# Altium PCB Thermostat_EEM.PCBDOC (part 4 of 10)
Units mm, origin at the board's own origin, x right, y up, seen from the top; angles counter-clockwise.
Board outline 162.48 x 100 mm, 4 copper layers (TOP, G1, L2, BOT), stack 1.55 mm thick; 903 components, 476 nets, 2667 pads, 1400 vias.
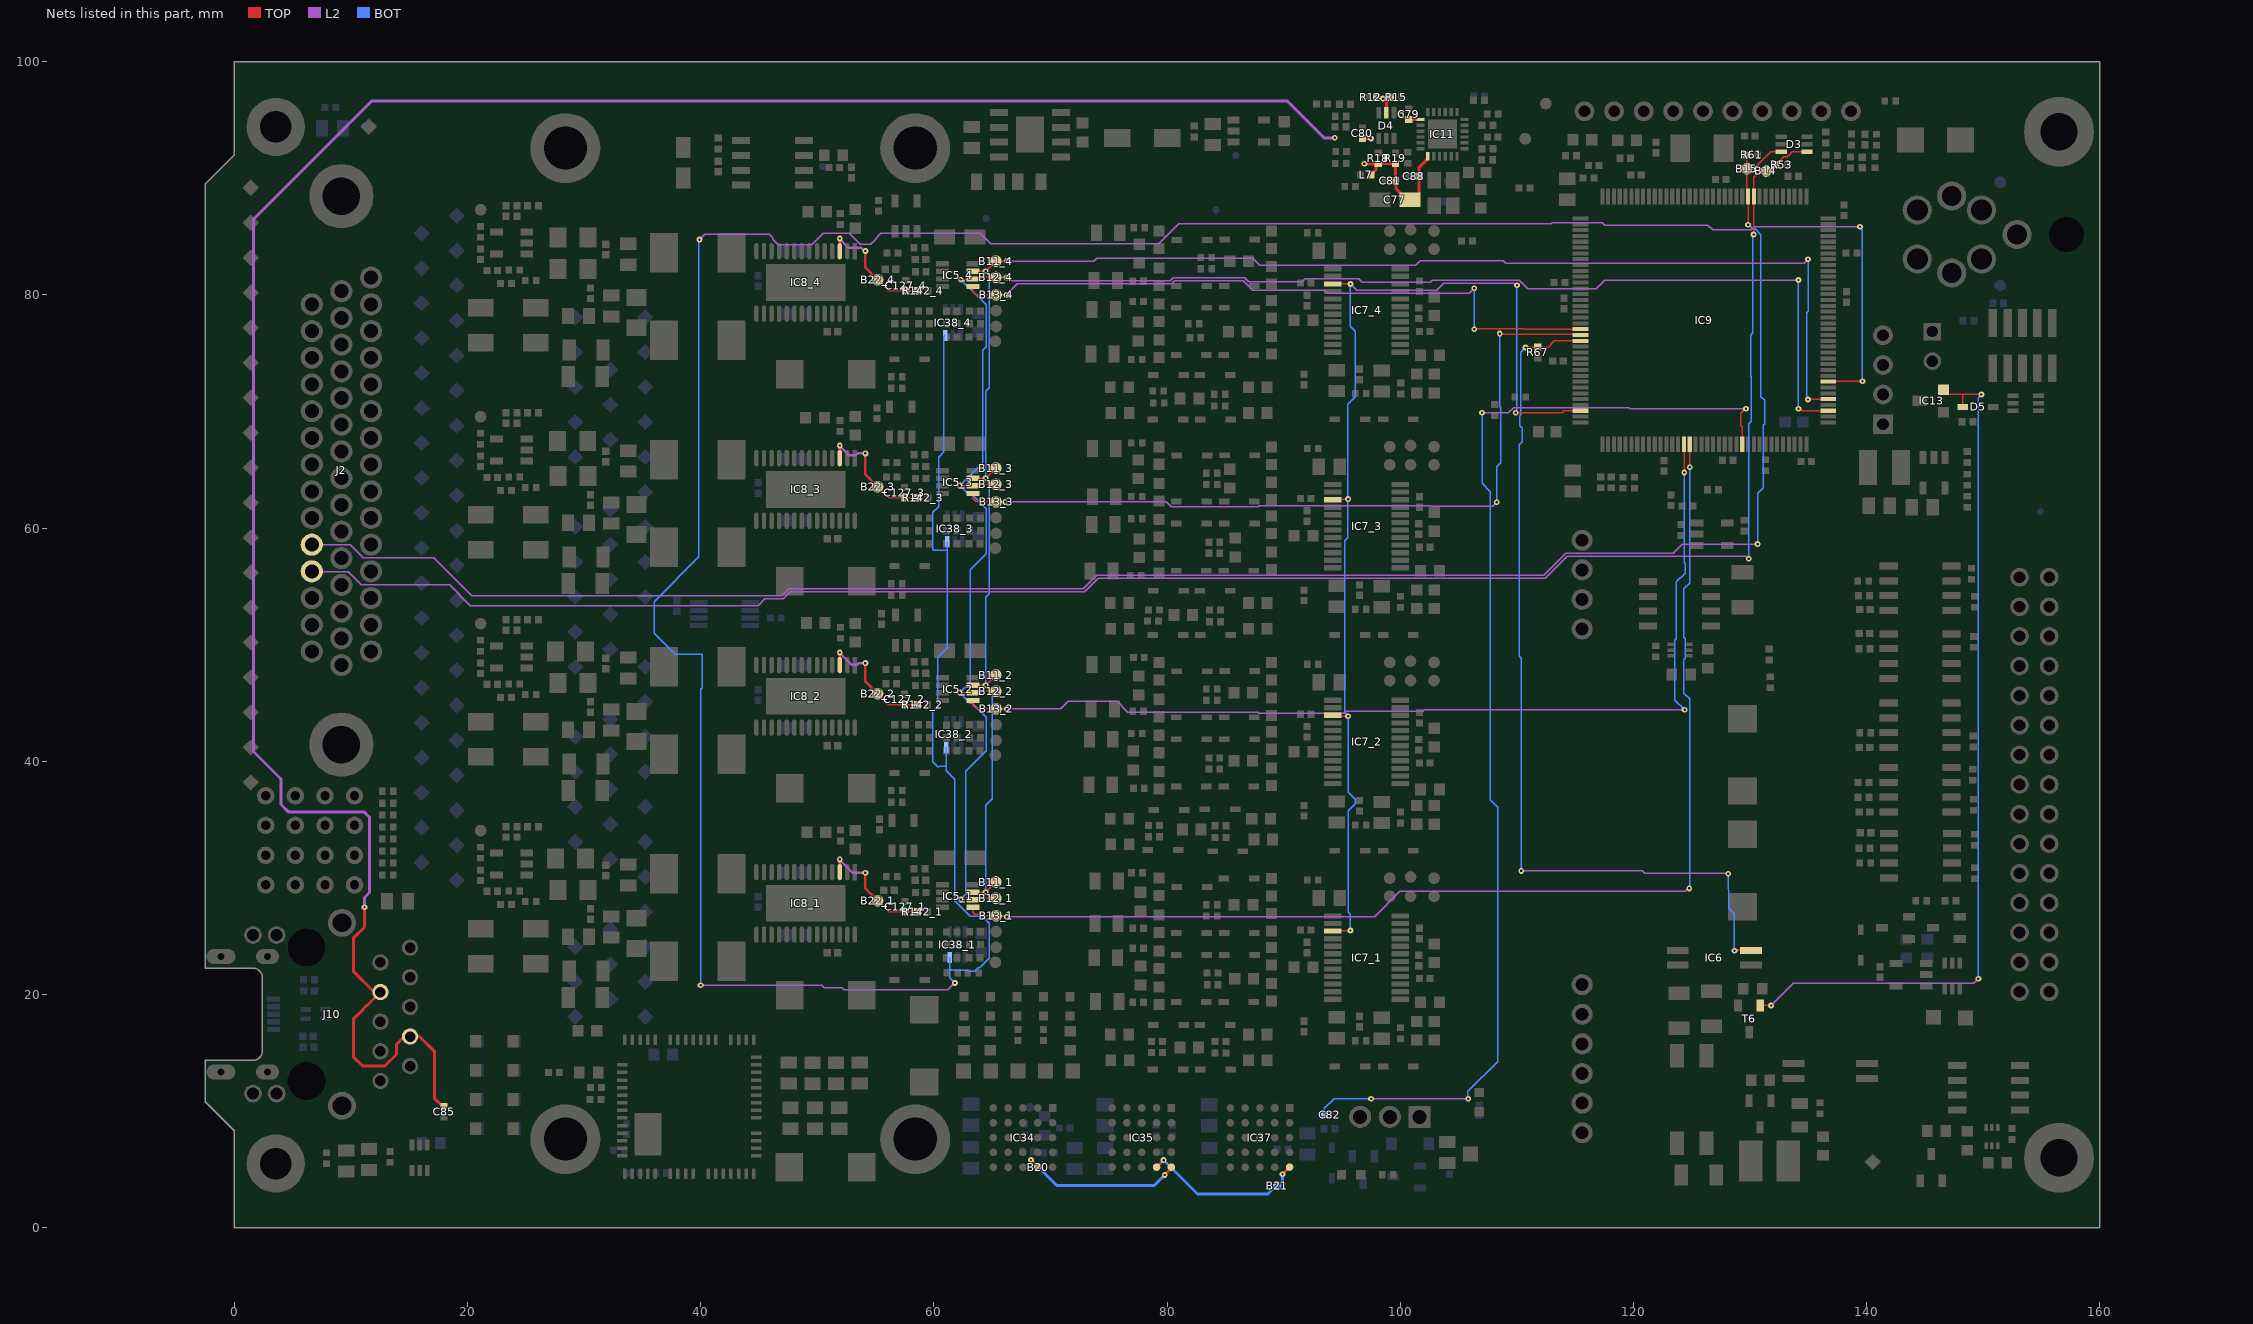
[diagram p6: the nets of this part, all layers, seen from the top]

## Via types
v1: diameter 0.5, hole 0.2, TOP to BOT, tented both sides, 1027 vias
v2: diameter 0.7, hole 0.4, TOP to BOT, tented both sides, 186 vias
v3: diameter 0.6, hole 0.3, TOP to BOT, tented both sides, 97 vias
v4: diameter 0.6, hole 0.3, TOP to BOT, 81 vias
v5: diameter 0.66, hole 0.33, TOP to BOT, tented both sides, 9 vias

## Nets (pads, with @x,y where several pads share a name; then routed paths per layer and width w, separated by ;. In a path a pad name is that pad's centre, name@x,y a point inside that pad or via, vN(x,y) a via of type N, cw(c..) or ccw(c..) an arc to the next point about the centre after c; other vN are vias at no path point) (continued)
ADC_SYNC: IC7_1.15 IC7_2.15 IC7_3.15 IC7_4.15 IC9.70 | length 93.8
  TOP w0.127: IC7_1.15@94.221,25.448 94.268,25.496 v1(95.728,25.496) ; IC7_2.15@94.221,43.948 94.304,43.865 v1(95.529,43.865) ; IC7_3.15@94.221,62.448 94.268,62.496 v1(95.529,62.496) ; IC7_4.15@94.221,80.948 v1(95.728,80.948) ; v1(109.904,69.901) 109.906,69.9 113.901,69.9 114.07,70.069 IC9.70@115.453,70.069
  L2 w0.127: v1(95.728,80.948) 96.277,80.398 103.122,80.398 103.749,81.025 109.719,81.025 109.905,80.839 v1(110.006,80.839)
  BOT w0.127: v1(95.728,25.496) 95.728,26.873 95.529,27.071 95.529,35.776 96.126,36.373 96.126,36.738 95.529,37.335 v1(95.529,43.865) 95.529,43.92 95.245,44.204 95.245,58.937 95.477,59.169 95.477,70.612 96.126,71.262 96.126,76.911 95.728,77.31 v1(95.728,80.948) ; v1(109.904,69.901) 110.006,70.002 v1(110.006,80.839)
AFE_SCL: B15.1 D3.3 IC9.11 J2.35 R61.1 | length 165.6
  TOP w0.127: R61.1@129.694,92.014 129.732,91.976 B15.1@129.732,91.08 ; v1(129.833,86.025) 129.83,86.027 129.83,88.441 129.732,88.539 B15.1@129.732,90.836 129.801,90.906 130.422,90.906 131.791,92.275 132.009,92.275 D3.3@132.675,92.275
  L2 w0.127: J2.35@6.45,58.587 6.463,58.575 9.93,58.575 11.058,57.447 17.128,57.447 20.369,54.206 46.964,54.206 47.561,54.803 72.829,54.803 73.981,55.955 112.287,55.955 114.173,57.841 123.403,57.841 124.194,58.631 v1(130.651,58.631)
  BOT w0.127: v1(129.833,86.025) 129.883,86.025 130.222,85.685 130.432,85.685 130.936,85.181 130.936,71.292 131.268,70.96 131.268,68.956 131.133,68.821 131.133,63.468 130.651,62.985 v1(130.651,58.631)
AFE_SDA: B14.1 D3.4 IC9.10 J2.34 R53.1 | length 164.9
  TOP w0.127: v1(130.309,85.185) 130.319,85.194 130.319,88.434 IC9.10@130.328,88.444 130.328,90.116 130.679,90.467 131.199,90.467 131.533,90.802 131.894,90.802 132.253,91.16 132.253,91.2 132.901,91.848 133.193,91.848 133.619,92.275 D3.4@134.875,92.275
  L2 w0.127: J2.34@6.45,56.297 6.463,56.285 9.766,56.285 10.894,55.157 18.468,55.157 20.259,53.365 44.923,53.365 45.509,53.952 47.069,53.952 47.666,54.549 72.935,54.549 74.086,55.701 112.453,55.701 114.339,57.587 123.508,57.587 123.52,57.599 129.633,57.599 129.854,57.379 v1(129.894,57.379)
  BOT w0.127: v1(129.894,57.379) 129.887,57.385 129.887,68.964 130.089,69.166 130.089,73.002 130.055,73.036 130.055,76.568 130.24,76.753 130.24,85.116 v1(130.309,85.185)
AT_EVENT: IC6.4 IC9.58 R67.1 | length 76.4
  TOP w0.127: v1(110.755,75.5) 110.794,75.539 R67.1@111.793,75.539 112.675,75.539 113.205,76.069 IC9.58@115.453,76.069 ; v1(128.66,23.756) 128.691,23.787 IC6.4@130.083,23.787
  L2 w0.127: v1(110.383,30.607) 120.775,30.607 120.984,30.398 v1@128.125,30.398
  BOT w0.127: v1(110.383,30.607) 110.383,48.836 110.185,49.034 110.185,67.162 110.446,67.424 110.446,68.589 110.26,68.776 110.26,69.633 110.345,69.718 110.345,75.09 v1(110.755,75.5) ; v1(128.125,30.361) 128.125,29.036 128.194,28.967 128.194,27.39 128.66,26.924 v1(128.66,23.756)
AVDDT_PHY: C77.1 C79.1 C80.2 C81.2 C85.2 C88.2 D4.5 IC11.1 IC11.19 J10.4 J10.7 L7.1 R12.2 R15.2 R18.1 R19.1 | length 211.8
  TOP w0.254: v1(11.169,27.496) 11.169,25.781 10.212,24.824 10.212,21.998 J10.7@11.995,20.215 ; J10.7@12.539,20.215 11.506,19.182 ccw(c12.539,17.675) 11.032,18.708 10.212,17.888 10.212,14.663 11.011,13.865 12.915,13.865 13.91,14.86 13.91,15.736 14.579,16.405 15.886,16.405 17.156,15.135 17.156,11.118 17.7,10.573 17.813,10.573 C85.2@17.996,10.39 ; C80.2@96.752,93.423 v1(97.484,93.423) ; v1(96.925,91.25) 96.927,91.252 98.083,91.252 97.923,91.092 97.923,90.742 97.491,90.31 L7.1@97.491,90.3 ; R18.1@98.106,91.255 R19.1@99.59,91.255 99.592,91.252 99.592,89.803 99.636,89.759 99.636,89.109 100.57,88.175 101.12,88.175 101.618,88.673 101.618,89.332 101.62,89.334 101.62,90.945 102.357,91.682 102.357,91.887 IC11.1@102.37,91.9 ; R12.2@98.106,96.904 98.124,96.886 98.478,96.886 v1(98.525,96.839) ; v1@98.478,96.769 98.616,96.769 98.81,96.576 ; D4.5@98.81,95.63 98.81,96.576 ; R15.2@99.166,96.952 99.166,96.932 98.81,96.576 ; v1(100.075,95.465) 100.142,95.465 100.375,95.232 100.537,95.232 C79.1@100.72,95.049 IC11.19@101.72,95.05
  L2 w0.254: v1(11.169,27.496) 11.169,28.331 11.591,28.753 11.591,35.215 11.161,35.645 4.675,35.645 4.019,36.301 4.019,38.481 1.65,40.85 1.65,86.503 11.772,96.625 90.331,96.625 93.483,93.473 94.366,93.473 v1(94.381,93.488)
clkoutA: B20.1 IC34.B5 IC35.A5 | length 14.3
  TOP w0.254: v1(68.339,5.81) 68.889,5.259 IC34.B5@68.912,5.259 ; v1@79.876,4.604 IC35.A5@80.405,5.137
  BOT w0.254: v1(68.339,5.81) 68.932,5.217 68.951,5.217 70.561,3.607 78.878,3.607 v1(79.798,4.526)
clkoutB: B21.1 IC35.B5 IC37.A5 | length 14.2
  TOP w0.254: IC35.B5@79.097,5.196 79.099,5.198 v1@79.626,5.728 ; v1(89.901,4.585) IC37.A5@90.508,5.196
  BOT w0.254: v1(79.704,5.806) 82.609,2.9 88.638,2.9 89.231,3.493 89.555,3.493 89.591,3.457 89.591,3.694 89.901,4.004 v1(89.901,4.585)
CPU_RESETn: D5.1 IC13.2 T6.1 | length 74.4
  TOP w0.127: T6.1@130.865,19.066 v1(131.804,19.066) ; IC13.2@146.588,71.861 146.982,71.467 148.256,71.467 ; D5.1@148.256,70.406 148.256,71.467 ; v1(149.841,71.46) 149.834,71.467 148.256,71.467
  L2 w0.127: v1(131.804,19.066) 133.693,20.955 149.175,20.955 v1(149.579,21.36)
  BOT w0.127: v1(149.579,21.36) 149.579,71.198 v1(149.841,71.46)
CurrentSet_1: B22_1.1 C127_1.1 IC8_1.3 R142_1.1 | length 10.4
  TOP w0.127: B22_1.1@55.04,28.118 55.112,28.118 B22_1.1@55.175,28.055 56.128,27.102 R142_1.1@58.533,27.102
  TOP w0.203: IC8_1.3@51.932,30.505 v1(51.932,31.594) ; v1(54.126,30.443) 54.126,29.104 B22_1.1@55.112,28.118
  L2 w0.203: v1(51.932,31.594) 51.932,31.54 53.029,30.443 v1(54.126,30.443)
CurrentSet_2: B22_2.1 C127_2.1 IC8_2.3 R142_2.1 | length 10.6
  TOP w0.127: B22_2.1@55.167,45.695 55.286,45.695 56.124,44.856 R142_2.1@58.533,44.856
  TOP w0.203: IC8_2.3@51.932,48.255 v1(51.932,49.344) ; v1(54.126,48.429) 54.126,46.854 B22_2.1@55.175,45.805
  L2 w0.203: v1(51.932,49.344) 51.932,49.29 52.942,48.281 53.42,48.281 53.568,48.429 v1(54.126,48.429)
CurrentSet_3: B22_3.1 C127_3.1 IC8_3.3 R142_3.1 | length 10.9
  TOP w0.127: B22_3.1@55.066,63.449 55.281,63.449 56.119,62.611 R142_3.1@58.558,62.611
  TOP w0.203: IC8_3.3@51.932,66.005 v1(51.932,67.094) ; v1(54.126,66.413) 54.126,64.604 B22_3.1@55.175,63.555
  L2 w0.203: v1(51.932,67.094) 51.932,67.04 52.708,66.265 53.303,66.265 53.451,66.413 v1(54.126,66.413)
CurrentSet_4: B22_4.1 C127_4.1 IC8_4.3 R142_4.1 | length 10.6
  TOP w0.127: B22_4.1@55.142,81.255 55.226,81.255 56.133,80.347 C127_4.1@57.58,80.347 58.615,80.347 R142_4.1@58.647,80.315 ; B22_4.1@55.19,81.29 B22_4.1@55.205,81.305
  TOP w0.203: IC8_4.3@51.932,83.755 v1(51.932,84.844) ; v1(54.126,83.767) 54.126,82.354 B22_4.1@55.175,81.305
  L2 w0.203: v1(51.932,84.844) 51.932,84.79 52.664,84.059 53.439,84.059 53.443,84.054 53.758,84.054 54.046,83.767 v1(54.126,83.767)
DAC_SCLK: B12_1.1 B12_2.1 B12_3.1 B12_4.1 IC5_1.6 IC5_2.6 IC5_3.6 IC5_4.6 IC9.111 | length 155.3
  TOP w0.127: v1(62.222,45.9) 63.33,45.9 IC5_2.6@63.35,45.88 63.475,46.005 B12_2.1@65.312,46.005 ; v1(62.222,63.65) 63.33,63.65 IC5_3.6@63.35,63.63 63.475,63.755 B12_3.1@65.312,63.755 ; v1(62.3,81.3) 63.27,81.3 63.475,81.505 B12_4.1@65.312,81.505 v1(66.225,81.505) ; v1(62.305,28.148) 63.332,28.148 IC5_1.6@63.35,28.13 63.475,28.255 B12_1.1@65.312,28.255 ; v1(134.153,70.239) 134.254,70.239 134.425,70.069 IC9.111@136.703,70.069
  L2 w0.127: v1(66.225,81.505) 66.248,81.505 66.548,81.205 80.278,81.205 80.549,81.476 86.649,81.476 87.007,81.118 91.599,81.118 91.87,81.389 96.462,81.389 96.752,81.099 102.577,81.099 102.757,81.279 110.188,81.279 110.924,80.544 116.817,80.544 117.553,81.279 v1(134.153,81.279)
  BOT w0.127: v1(62.3,81.3) 62.304,81.3 62.85,80.754 62.896,80.754 64.491,79.159 64.491,75.567 64.183,75.26 64.183,65.612 v1(62.222,63.65) 62.891,62.981 63.16,62.981 64.491,61.651 64.491,57.803 63.104,56.417 63.104,46.782 v1(62.222,45.9) 63.119,45.002 63.291,45.002 64.491,43.803 64.491,40.893 62.744,39.146 62.744,28.587 v1(62.305,28.148) ; v1(134.153,70.239) v1(134.153,81.279)
DAC_SDIN: B11_1.1 B11_2.1 B11_3.1 B11_4.1 IC5_1.7 IC5_2.7 IC5_3.7 IC5_4.7 IC9.113 | length 147.8
  TOP w0.127: IC5_1.7@63.35,28.78 v1(64.437,28.78) B11_1.1@65.312,29.655 ; IC5_2.7@63.35,46.53 v1(64.437,46.53) B11_2.1@65.312,47.405 ; IC5_3.7@63.35,64.28 v1(64.437,64.28) B11_3.1@65.312,65.155 ; IC5_4.7@63.35,82.03 v1(64.437,82.03) B11_4.1@65.312,82.905 v1(66.254,82.905) ; v1(134.975,71.04) 134.989,71.054 136.689,71.054 IC9.113@136.703,71.069
  L2 w0.127: v1(66.254,82.905) 73.721,82.905 73.959,83.143 87.364,83.143 87.945,82.562 101.35,82.562 101.725,82.937 108.821,82.937 109.029,82.728 134.635,82.728 v1(134.975,83.069)
  BOT w0.127: v1(64.437,28.78) 64.437,36.25 64.999,36.811 64.999,45.969 v1(64.437,46.53) 64.437,54.058 64.745,54.365 64.745,63.964 64.437,64.271 64.437,71.741 64.745,72.048 64.745,81.714 64.437,82.021 v1(64.437,82.03) ; v1(134.975,71.04) 134.975,71.141 134.869,71.247 134.869,78.494 134.975,78.6 v1(134.975,83.069)
DAC_SYNCn0: B13_1.1 IC5_1.5 IC9.88 | length 101.6
  TOP w0.127: IC5_1.5@63.35,27.48 63.35,27.065 63.514,26.901 64.151,26.901 64.297,26.755 B13_1.1@65.337,26.755 65.38,26.713 66.212,26.713 v1(66.254,26.67) ; v1(124.828,65.225) IC9.88@124.828,67.194
  L2 w0.127: v1(66.254,26.67) 66.257,26.674 97.795,26.674 99.977,28.856 124.433,28.856 124.687,29.11 v1(124.787,29.11)
  BOT w0.127: v1@124.828,29.11 124.828,45.37 124.335,45.863 124.335,48.728 124.441,48.833 124.441,50.538 124.335,50.643 124.335,54.805 124.828,55.298 v1(124.828,65.225)
DAC_SYNCn1: B13_2.1 IC5_2.5 IC9.87 | length 85.9
  TOP w0.127: IC5_2.5@63.35,45.23 63.35,44.815 63.66,44.505 B13_2.1@65.337,44.505 65.343,44.499 66.248,44.499 v1(66.254,44.494) ; IC9.87@124.328,67.194 124.342,67.179 124.342,64.785 v1(124.357,64.77)
  L2 w0.127: v1(66.254,44.494) 70.887,44.494 71.538,45.144 75.721,45.144 76.643,44.222 81.526,44.222 ; 81.527,44.222 87.777,44.222 87.882,44.118 95.16,44.118 95.347,44.305 101.937,44.305 102.056,44.425 v1(124.387,44.425)
  BOT w0.127: v1(124.357,64.77) 124.357,57.02 124.441,56.937 124.441,56.157 123.683,55.399 123.683,50.5 123.56,50.377 123.56,45.252 v1(124.387,44.425)
DAC_SYNCn2: B13_3.1 IC5_3.5 IC9.57 | length 67.4
  TOP w0.127: IC5_3.5@63.35,62.98 63.35,62.565 63.633,62.282 64.27,62.282 64.297,62.255 v1(66.129,62.255) ; v1(108.538,76.685) 108.596,76.627 115.394,76.627 IC9.57@115.453,76.569
  L2 w0.127: v1(66.129,62.255) 79.947,62.255 80.36,61.841 87.808,61.841 87.893,61.926 102.692,61.926 102.72,61.898 107.948,61.898 v1(108.275,62.225)
  BOT w0.127: v1(108.275,62.225) 108.275,65.254 108.638,65.617 108.638,70.353 108.538,70.453 v1(108.538,76.685)
DAC_SYNCn3: B13_4.1 IC5_4.5 IC9.56 | length 57.4
  TOP w0.127: IC5_4.5@63.35,80.73 63.35,80.315 63.66,80.005 v1(66.225,80.005) ; v1(106.345,77.069) 106.402,77.126 110.651,77.126 110.708,77.069 IC9.56@115.453,77.069
  L2 w0.127: v1(66.225,80.005) 67.171,80.951 80.383,80.951 80.654,81.222 86.544,81.222 87.34,80.426 93.488,80.426 93.77,80.144 105.909,80.144 v1(106.35,80.585)
  BOT w0.127: v1(106.345,77.069) 106.347,77.071 106.347,80.582 v1(106.35,80.585)
FAN_PWM: C82.1 IC9.97 | length 99.9
  TOP w0.127: IC9.97@129.328,67.194 129.328,68.684 129.208,68.804 129.208,69.847 129.6,70.239 v1(129.648,70.239)
  L2 w0.127: v1(97.505,11.073) v1(105.825,11.073) ; v1(107.016,69.901) 109.281,69.901 109.722,70.341 119.584,70.341 119.686,70.239 v1(129.648,70.239)
  BOT w0.127: C82.1@93.488,9.68 93.488,10.234 94.321,11.067 97.543,11.067 97.536,11.073 v1(97.505,11.073) ; v1(105.825,11.073) 105.8,11.098 105.8,11.7 108.355,14.255 108.355,36.08 107.72,36.715 107.72,63.134 107.016,63.838 v1(107.016,69.901)
Freq: IC9.116 IC38_1.3 IC38_2.3 IC38_3.3 IC38_4.3 | length 277.3
  TOP w0.127: IC9.116@136.703,72.569 136.719,72.584 139.634,72.584 v1(139.65,72.6)
  L2 w0.127: v1(39.9,84.75) 40.343,85.193 45.904,85.193 46.184,84.912 46.184,84.77 46.635,84.319 49.533,84.319 50.498,85.284 52.738,85.284 53.676,84.346 54.578,84.346 55.02,84.788 55.02,84.844 55.461,85.285 63.994,85.285 64.875,84.404 79.286,84.404 80.986,86.104 112.91,86.104 113.017,86.211 117.326,86.211 117.546,85.991 126.386,85.991 126.793,85.584 130.086,85.584 130.352,85.85 v1(139.424,85.85) ; v1(40,20.8) 50.4,20.8 50.6,20.6 52.1,20.6 52.3,20.4 61.2,20.4 v1(61.8,21)
  BOT w0.127: v1(39.9,84.75) 39.85,84.7 39.85,57.562 36,53.712 36,51 37.806,49.194 40.124,49.194 40.124,46.304 40,46.181 v1(40,20.8) ; IC38_4.3@60.98,76.539 60.859,76.417 60.859,66.542 60.403,66.086 60.403,61.827 59.923,61.347 59.923,58.199 59.997,58.125 61.15,58.125 ; IC38_2.3@61.053,41.208 61.053,39.563 ; IC38_3.3@61.15,58.849 61.15,58.125 ; IC38_1.3@61.375,23.186 61.375,22.225 ; v1(61.8,21) 61.375,21.425 61.375,22.225 ; v1(139.424,85.85) 139.424,85.749 139.61,85.563 139.61,72.64 v1(139.65,72.6) ; 61.053,39.563 61.053,39.207 61.8,38.46 61.8,28.031 63.104,26.727 64.147,26.727 64.745,26.129 64.745,23.108 63.937,22.3 63.8,22.3 63.5,22 62.95,22 62.85,22.1 61.5,22.1 61.375,22.225 ; 61.053,39.563 60.471,39.563 60.458,39.55 60.352,39.55 59.923,39.98 59.923,44.295 60.327,44.7 60.327,48.921 61.15,49.744 61.15,58.125